# KiCad board ghoul.kicad_pcb (continued)
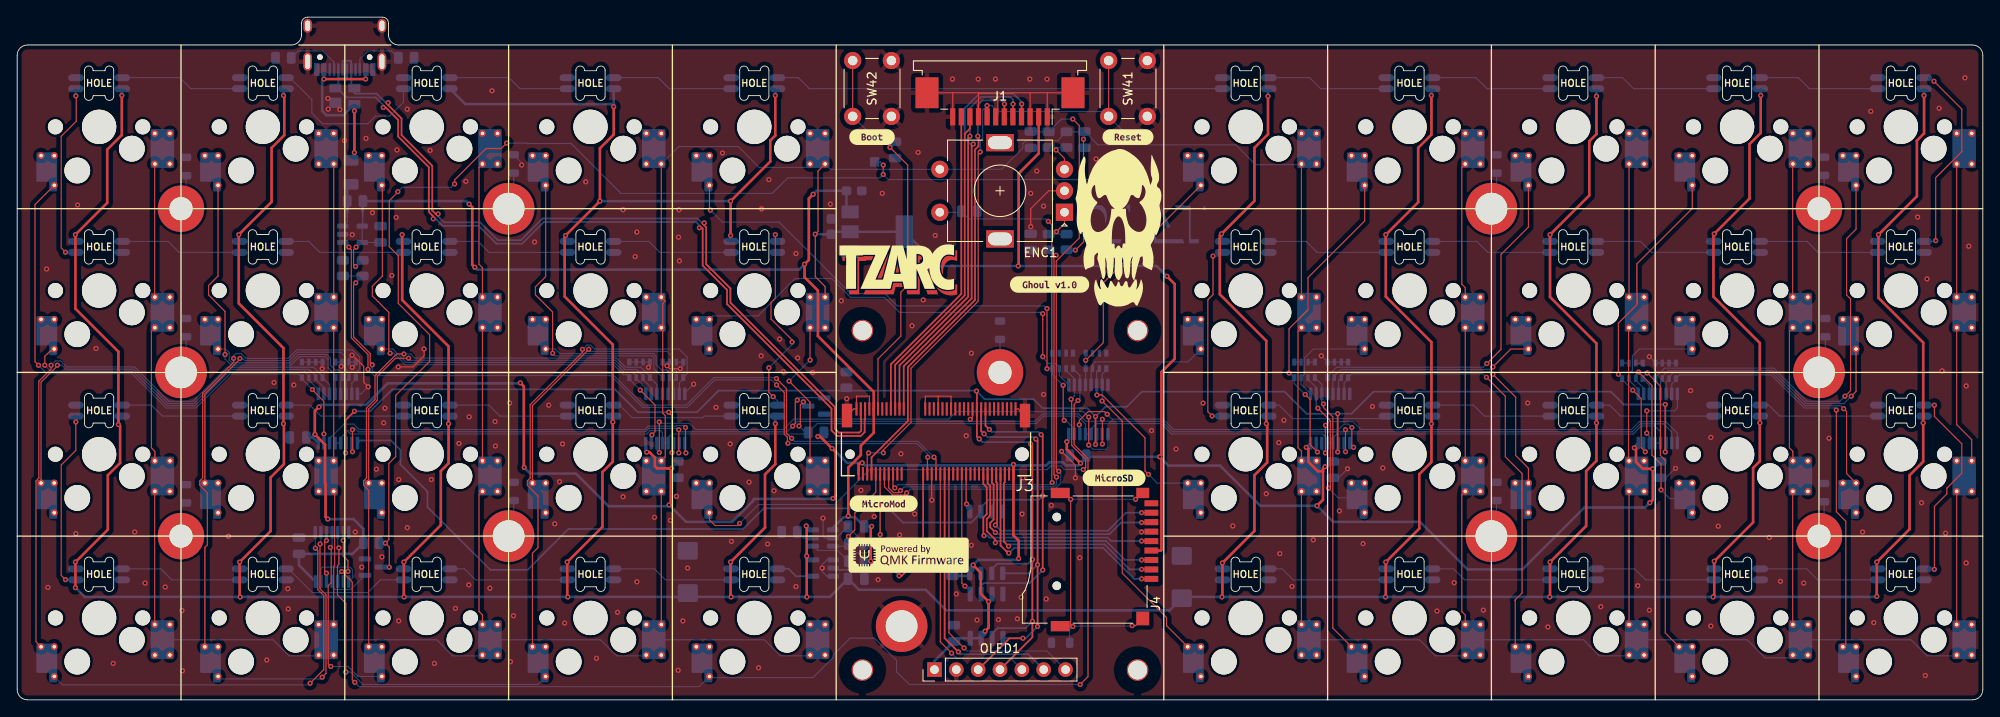
[diagram p0: board, top side]
## Nets (continued)
Net-(D41-Pad1): D41.1 D42.1 Q2.3 R11.1
Net-(H1-Pad1): H1.1 L1.1
Net-(H2-Pad1): H2.1 L2.1
Net-(H3-Pad1): H3.1 L3.1
Net-(H4-Pad1): H4.1 L4.1
Net-(H5-Pad1): H5.1 L6.1
Net-(H6-Pad1): H6.1 L7.1
Net-(H7-Pad1): H7.1 L8.1
Net-(H8-Pad1): H8.1 L9.1
Net-(H9-Pad1): H9.1 L10.1
Net-(H10-Pad1): H10.1 L11.1
Net-(H11-Pad1): H11.1 L12.1
Net-(J4-PadS): J4.S L5.1
Net-(NT2-Pad1): NT2.1 U12.3
Net-(Q2-Pad1): Q2.1 U11.11

Pads without a net: D36 4; ENC1 MP; J2 A8 B8; J3 4 13 15 20 22 35 37 41 43 46 47 48 49 51 53 54 56 58 63 65 67 69 71 72 73; J4 CD; U9 3 7

## Via types
v1: diameter 0.6, hole 0.3, Top to Bottom, 497 vias

## Routing (per net, layer and track width the routed paths; a pad name or vN(x,y) marks a point on that pad's centre or on a via; arc(x,y) is an arc through that point)
5V_Post: length 119.2
  Top w0.3: v1(53.22,50.33) 52.92,50.63 52.92,57.33 v1(52.57,57.68) ; v1(99.27,16.13) 99.27,20.08 v1(99.37,20.18) ; v1(96.66,21.39) 96.66,27.02 98.12,28.49 98.12,29.58 99.61,31.07 J3.9 99.61,35.84 93.12,42.33 93.12,47.63 91.57,49.18 v1(91.57,50.68) 92.07,51.18 92.07,58.33 v1(92.57,58.83)
  Bottom w0.3: NT3.2 40.18,58.02 ; 96.45,57.19 C16.1 92.97,59.23 v1(92.57,58.83) ; v1(53.22,50.33) 53.48,50.07 90.96,50.07 v1(91.57,50.68) ; v1(99.37,20.18) 99.36,20.17 C2.1 97.44,21.24 96.66,21.24 ; 96.66,21.24 96.11,21.24 94.86,19.99 U1.1 ; 96.66,21.24 v1(96.66,21.39) ; R10.1 52.21,58.04 v1(52.57,57.68) ; v1(99.27,16.13) R1.1
5V_Pre: length 2.7
  Bottom w0.3: 38.38,59.54 R10.2 ; NT2.2 38.4,58.02
+3V3: length 392.2
  Top w0.3: v1(133.72,49.28) 134.62,48.38 134.62,39.68 133.07,38.13 133.07,28.48 v1(132.87,28.28) 133.07,28.08 133.07,17.44 133,17.37 J4.4 ; v1(58.97,27.03) 58.92,27.08 58.92,36.48 v1(58.52,36.88) ; J3.2 97.86,27.39 98.04,27.57 v1(98.27,27.57) ; v1(111.17,15.68) 112.07,14.78 112.07,12.33 v1(112.97,11.43) 112.97,8.38 v1(112.57,7.98) ; v1(116.42,50.48) 116.47,50.53 116.47,61.25 118.8,63.58 118.8,67.19 ; v1(151.17,22.58) 151.86,23.27 151.86,26.59 ; v1(116.47,16.43) 116.47,18.53 115.86,19.14 J3.74 115.86,27.37 v1(115.87,27.38) ; v1(75.82,22.68) 76.02,22.88 76.02,26.83 v1(76.12,26.93) 74.42,26.93 74.16,27.19 74.16,28.19 73.53,28.82 v1(73.22,28.82) ; v1(93.12,30.64) 93.38,30.64 v1(94.77,29.25) 95.17,28.85 95.17,23.73 v1(94.87,23.43) ; v1(188.07,29.33) 188.27,29.13 188.27,27.69 189.08,26.88 v1(190.2,26.88) 190.22,26.87 190.22,23.28 v1(189.87,22.93) ; v1(123.67,27.53) 122.07,29.13 v1(122.07,30.03) ; 151.86,26.59 151.86,26.89 v1(152.1,27.13) ; 151.86,26.59 151.27,26.59 150.17,27.69 150.17,29.13 v1(149.92,29.38) ; v1(35.1,34.08) 34.62,33.6 v1(34.62,30.88) 35.81,29.69 35.81,25.19 35.87,25.13 35.87,21.28 v1(36.12,21.03)
  Bottom w0.3: 124.47,28.28 v1(132.87,28.28) 133.9,27.25 139.9,27.25 144.57,22.58 v1(151.17,22.58) 153.04,20.71 163.14,20.71 168.67,15.18 175.07,15.18 182.27,22.38 189.32,22.38 v1(189.87,22.93) ; v1(149.92,29.38) 149.92,29.38 U7.16 ; v1(58.52,36.88) 58.47,36.83 43.09,36.83 40.59,34.33 35.35,34.33 v1(35.1,34.08) ; v1(133.72,49.28) 132.52,50.48 v1(116.42,50.48) 107.15,50.48 U10.2 U10.2 94.95,54.47 ; C10.1 76.12,27.06 v1(76.12,26.93) ; v1(94.77,29.25) 94.84,29.25 96.51,27.57 v1(98.27,27.57) 98.56,27.28 115.77,27.28 v1(115.87,27.38) 115.97,27.28 119.68,27.28 120.05,27.65 121.64,27.65 122,27.28 123.42,27.28 v1(123.67,27.53) 124.33,28.19 ; C13.1 190.24,26.88 v1(190.2,26.88) ; C9.1 34.37,30.53 U4.16 ; U8.16 188.07,29.43 v1(188.07,29.33) ; C14.1 110.5,14.41 U9.8 111.17,15.08 v1(111.17,15.68) 111.77,16.28 116.32,16.28 v1(116.47,16.43) ; U6.16 122.29,30.26 v1(122.07,30.03) ; 113.38,11.84 v1(112.97,11.43) ; 34.27,30.53 v1(34.62,30.88) ; C12.1 152.39,27.13 v1(152.1,27.13) ; v1(58.97,27.03) 59.67,26.33 64.97,26.33 68.77,22.53 75.67,22.53 v1(75.82,22.68) 77.79,20.71 83.15,20.71 85.67,23.22 85.67,23.38 94.77,23.38 94.82,23.43 v1(94.87,23.43) ; U5.16 73.09,28.94 v1(73.22,28.82) ; v1(36.12,21.03) 39.12,21.03 40.26,19.89 R11.2 39.01,16.98 C15.1 32.77,15.67 U11.14 ; v1(112.57,7.98) 112.57,7.63 U3.7 U3.8 109.32,7.16 C6.1 106.68,4.53 OLED1.1 ; NT1.2 94.65,54.17 ; 93.59,31.11 v1(93.12,30.64)
GND: length 125.7
  Top w0.13: v1(40.82,36.43) 40.3,36.95 40.3,38.8 38.97,40.13 v1(38.93,40.09) ; 107.12,35.33 107.11,35.32 J3.39 ; 107.12,35.33 105.62,35.33 105.61,35.32 J3.33 ; 107.12,35.33 108.57,35.33 108.61,35.29 J3.45 ; v1(47.32,40.83) 47.32,40.03 46.02,38.73 v1(44.32,38.73) ; 108.78,70.64 108.8,70.62 J1.12 ; 108.78,70.64 J1.MP ; 108.78,70.64 111.81,70.64 ; 113.81,70.64 117.81,70.64 ; 113.81,70.64 111.81,70.64 ; 113.81,70.64 114.04,70.41 114.04,68.08 ; 117.81,70.64 117.8,70.64 J1.3 ; 117.81,70.64 119.86,70.64 ; 119.86,70.64 J1.MP ; 119.86,70.64 119.8,70.59 J1.1 ; 111.81,70.64 111.8,70.64 J1.9 ; v1(123.07,25.83) 123.07,27.3 v1(121.46,28.91) ; J3.36 106.36,23.24 v1(106.37,23.23) ; v1(77.12,38.53) 75.91,38.53 v1(75.57,38.87) ; v1(117.87,55.07) 117.87,57.15 119.96,59.23 ENC1.C ; J3.7 99.11,35.07 99.12,35.08 99.12,35.33 97.62,35.33 97.61,35.32 J3.1 97.28,33.85 J3.M ; J3.75 116.43,33.85 J3.M ; v1(189.52,31.03) v1(189.52,33.63)
  Bottom w0.13: v1(189.82,39.93) 190.52,39.23 ; C7.2 v1(117.87,55.07) ; 75.86,39.17 v1(75.57,38.87) ; U8.14 189.82,30.73 v1(189.52,31.03) ; 37.52,68.96 v1(37.52,68.68) ; v1(37.69,38.79) 37.79,38.89 RN2.6 RN2.5 ; v1(36.12,69.98) 36.5,69.98 ; RN4.6 RN4.5 ; C12.2 153.68,25.84 v1(154.72,26.88) ; v1(36.17,68.73) 36.91,69.48 ; v1(40.82,36.43) 39.99,35.6 U4.8 ; 98.48,18.3 C2.2 95.27,18.83 ; v1(38.93,40.09) 38.59,39.75 RN2.7 RN2.8 ; v1(35.47,38.53) 35.52,38.58 RN1.4 RN1.3 RN1.2 RN1.1 ; v1(58.67,62.23) 58.67,62.5 L6.2 ; C11.2 121.94,28.43 v1(121.46,28.91) ; RN7.3 RN7.4 ; v1(73.42,38.68) 73.59,38.85 RN3.4 RN3.3 RN3.2 RN3.1 ; 77.64,35.71 v1(78.67,36.73) ; RN10.8 RN10.7 RN10.6 RN10.5 ; U2.1 94.17,16.28 93.62,15.73 v1(93.62,15.33) 93.62,14.93 94.17,14.38 U2.3 ; RN7.2 RN7.1 ; 39.39,39.1 v1(38.97,38.68) ; RN9.2 RN9.1 ; U1.2 93.87,18.83 93.72,18.98 v1(93.72,21.13) ; U8.8 193.07,33.98 192.72,33.63 v1(189.52,33.63) ; v1(192.87,26.93) 192.82,26.93 191.73,25.84 ; RN8.5 RN8.6 RN8.7 RN8.8 ; RN9.4 RN9.3 ; RN4.7 RN4.8 77.46,38.87 v1(77.12,38.53) ; 152.39,39.31 v1(151.67,40.03)
  vias: v1(3.42,50.13) v1(3.57,13.08) v1(6.82,19.33) v1(7.02,57.58) v1(9.17,40.88) v1(11.17,4.23) v1(13.67,19.53) v1(14.87,13.58) v1(17.22,13.13) v1(19.17,10.38) v1(19.22,3.38) v1(24.57,19.03) v1(29.02,4.63) v1(29.87,36.93) v1(31.47,12.93) v1(31.52,10.58) v1(32.17,36.63) v1(38.07,65.08) v1(38.97,54.13) v1(39.32,19.53) v1(40.07,15.43) v1(40.57,65.33) v1(41.32,56.68) v1(41.77,26.83) v1(42.42,16.63) v1(42.62,32.23) v1(42.77,33.93) v1(43.57,49.38) v1(44.07,56.13) v1(44.17,63.98) v1(44.37,25.63) v1(44.37,9.18) v1(45.37,68.73) v1(45.37,20.03) v1(48.02,63.93) v1(48.17,25.63) v1(48.52,4.23) v1(50.97,10.63) v1(51.37,29.83) v1(52.17,60.33) v1(52.57,32.93) v1(52.52,13.38) v1(54.97,12.98) v1(55.22,70.88) v1(55.57,32.38) v1(55.62,29.53) v1(57.27,34.53) v1(57.37,4.43) v1(57.72,9.78) v1(60.17,53.28) v1(61.82,34.28) v1(62.52,20.48) v1(63.07,25.38) v1(63.42,29.78) v1(63.67,8.93) v1(66.12,60.28) v1(67.37,4.83) v1(69.82,10.18) v1(70.47,57.03) v1(70.47,23.63) v1(71.87,51.58) v1(72.07,54.43) v1(72.07,13.73) v1(74.12,21.23) v1(75.97,20.88) v1(76.67,23.68) v1(76.92,53.83) v1(76.87,3.43) v1(76.97,57.03) v1(77.02,51.08) v1(77.42,9.18) v1(77.97,15.33) v1(81.27,34.03) v1(82.02,63.63) v1(82.92,29.78) v1(83.07,18.43) v1(85.12,25.33) v1(86.22,3.73) v1(86.57,57.13) v1(86.52,40.03) v1(87.27,18.13) v1(87.42,60.53) v1(88.02,24.33) v1(88.67,41.98) v1(89.12,38.18) v1(90.57,51.93) v1(90.57,13.18) v1(90.77,39.78) v1(92.52,38.08) v1(94.57,57.68) v1(95.85,46.43) v1(96.47,35.03) v1(98.12,24.38) v1(99.67,21.33) v1(100.12,13.98) v1(100.61,58.94) v1(102.62,19.18) v1(102.77,28.63) v1(104.07,43.53) v1(104.37,21.63) v1(104.77,63.7) v1(105.37,46.53) v1(106.77,54.03) v1(108.77,72.23) v1(109.22,12.33) v1(110.37,30.73) v1(110.97,40.33) v1(110.97,17.98) v1(111.62,9.28) v1(111.77,72.23) v1(113.77,72.23) v1(114.12,9.33) v1(116.32,9.43) v1(116.77,11.93) v1(116.87,21.63) v1(116.97,25.83) v1(117.77,72.23) v1(117.87,58.94) v1(118.57,61.53) v1(119.36,57.45) v1(119.37,35.53) v1(119.67,11.73) v1(119.77,72.23) v1(120.27,22.63) v1(123.57,16.53) v1(125.47,62.93) v1(130.77,19.53) v1(131.92,31.33) v1(134.77,29.18) v1(137.92,34.53) v1(141.37,20.23) v1(145.27,23.98) v1(146.72,29.93) v1(146.84,17.01) v1(147.32,32.53) v1(148.27,13.19) v1(150.74,18.61) v1(153.77,21.98) v1(156.53,18.17) v1(157.62,34.13) v1(158.82,26.98) v1(165.12,10.33) v1(167.12,13.63) v1(170.52,10.43) v1(175.67,34.53) v1(178.02,8.48) v1(184.17,10.83) v1(188.47,13.28) v1(189.82,10.43) v1(194.62,35.98) v1(196.97,30.53) v1(196.97,8.58) v1(197.83,20.2) v1(203.77,18.88) v1(205.07,13.78) v1(207.77,13.58) v1(210.72,30.43) v1(214.62,19.53) v1(215.57,68.48) v1(215.92,8.98) v1(221.02,56.18) v1(221.47,22.93) v1(221.92,2.83) v1(222.12,48.98) v1(223.52,68.83) v1(223.87,38.28) v1(224.27,19.38) v1(226.52,72.38) v1(226.67,36.53) v1(226.67,15.93) v1(226.97,52.78)
VBUS: length 21.4
  Top w0.3: v1(39.22,68.53) v1(39.22,63.68) ; v1(35.67,72.23) v1(40.52,72.23)
  Bottom w0.3: v1(40.52,72.23) 40.52,73.31 ; v1(39.22,63.68) 39.22,63.18 ; v1(39.22,68.53) 39.2,68.55 D43.4 37.93,68.03 35.95,68.03 35.47,68.51 35.47,72.03 v1(35.67,72.23) 35.65,72.25 J2.A4
/Matrix_1_2: length 46.8
  Top w0.13: v1(77.77,28.73) 77.72,28.78 v1(77.72,31.69)
  Bottom w0.13: U5.9 77.64,28.86 v1(77.77,28.73) ; 36.32,30.38 38.02,32.08 39.14,32.08 39.77,31.45 72.99,31.45 73.38,31.84 76.66,31.84 76.74,31.92 77.48,31.92 v1(77.72,31.69)
/Matrix_2_3: length 63.6
  Top w0.13: v1(74.67,32.34) 74.68,32.32 v1(74.68,28.78) ; v1(124.62,32.9) 124.62,29.66 v1(124.61,29.65)
  Bottom w0.13: v1(124.61,29.65) 125.11,29.16 126.64,29.16 126.84,29.36 U6.9 ; v1(74.68,28.78) 74.39,29.07 U5.14 ; v1(74.67,32.34) 74.82,32.18 78.19,32.18 78.92,31.45 89.09,31.45 90.31,32.67 108.35,32.67 109.22,33.53 123.99,33.53 v1(124.62,32.9)
/Matrix_3_4: length 37.9
  Top w0.13: v1(155.22,31.69) 155.22,29.58 v1(155.42,29.38) ; v1(123.52,32.01) 123.52,32.5 124.55,33.54 126.46,33.54 v1(126.77,33.23)
  Bottom w0.13: v1(126.77,33.23) 127.33,32.67 133.27,32.67 134.48,31.45 153.69,31.45 154.32,32.08 154.82,32.08 v1(155.22,31.69) ; v1(155.42,29.38) 154.97,29.83 ; v1(123.52,32.01) 123.52,31
/Matrix_4_5: length 48.1
  Top w0.13: v1(152.14,28.73) 152.14,31.92 v1(152.17,31.95)
  Bottom w0.13: v1(152.17,31.95) 152.6,32.38 155.34,32.38 156.27,31.45 187.74,31.45 188.67,32.38 191.72,32.38 193.07,31.03 U8.9 ; U7.14 151.72,29.15 v1(152.14,28.73)
/Matrix_Latch: length 166.7
  Top w0.13: v1(90.92,31.87) 91.08,32.04 91.08,34.33 v1(91.43,34.68)
  Bottom w0.13: 37.62,30.48 38.5,31.36 38.5,31.22 38.78,30.93 73.2,30.93 73.59,31.32 74.83,31.32 75.04,31.11 75.04,30.38 ; 152.37,30.38 151.82,30.93 134.27,30.93 133.05,32.15 125.52,32.15 124.89,31.52 ; U5.13 U5.12 ; U4.13 U4.12 ; v1(91.43,34.68) 91.92,34.18 ; 153.02,30.48 153.47,30.93 187.57,30.93 187.95,30.93 188.88,31.86 190.44,31.86 191.12,31.18 U8.12 U8.13 ; 75.69,30.48 76.14,30.93 91.83,30.93 ; U6.12 U6.13 124.24,32.09 123.32,33.01 119.37,33.01 118.5,32.15 93.04,32.15 R9.1 ; U7.13 U7.12 ; v1(90.92,31.87) 91.69,31.11
CC1: length 6.7
  Bottom w0.13: R16.2 32.66,75.51 35.55,75.51 36.85,74.2 J2.A5
CC2: length 6.4
  Bottom w0.13: J2.B5 39.85,74.56 40.79,75.51 43.54,75.51 R15.2
CURR_LIM: length 2.1
  Bottom w0.13: U1.5 91.43,18.83 R3.1
CURR_MEAS: length 93.4
  Top w0.13: v1(38.57,52.68) 38.86,52.39 38.86,42.12 40.8,40.19 v1(40.8,38.45) ; v1(88.31,36.65) 89.21,35.75 89.21,30.92 89.57,30.56 89.57,29.9 v1(89.63,29.85) ; J3.34 105.86,28.2 v1(105.89,28.23)
  Bottom w0.13: v1(105.89,28.23) 105.89,28.59 104.67,29.81 89.66,29.81 v1(89.63,29.85) ; v1(88.31,36.65) 87.74,37.22 81.11,37.22 77.92,34.03 72.73,34.03 69.03,37.73 41.52,37.73 v1(40.8,38.45) ; v1(38.57,52.68) 38.4,52.68 U12.1
D+: length 95.1
  Top w0.2: v1(48.95,56.54) 48.67,56.54 48.27,56.94 48.27,62.14 44.7,65.72 44.7,67.65 43.14,69.21 v1(43.14,69.49) ; J3.3 98.11,32.69 98.16,32.64 98.16,31.32 97.94,31.11 95.55,31.11 95.1,31.55 95.1,34.07 82.95,46.22 82.95,47.87 80.12,50.7 80.12,55 79.91,55.22 v1(79.91,55.5)
  Bottom w0.2: v1(79.91,55.5) 79.62,55.5 79.11,56.01 61.09,56.01 58.56,53.48 55.91,53.48 53.82,55.56 49.64,55.56 48.95,56.26 v1(48.95,56.54) ; J2.A6 37.85,74.32 37.9,74.37 38.8,74.37 38.85,74.32 J2.B6 38.85,71.55 ; v1(43.14,69.49) 42.86,69.49 41.81,70.54 39.29,70.54 39.2,70.63 D43.3
D-: length 96.6
  Top w0.2: v1(79.34,54.93) 79.62,54.93 79.72,54.83 79.72,50.53 82.55,47.71 82.55,46.05 94.7,33.9 94.7,31.36 95.35,30.71 98.11,30.71 98.56,31.15 98.56,32.64 98.61,32.69 J3.5 ; v1(42.58,68.93) 42.86,68.93 44.3,67.49 44.3,65.55 47.87,61.98 47.87,56.77 48.38,56.26 v1(48.38,55.97)
  Bottom w0.2: 37.35,72.31 J2.B7 ; 37.35,72.31 37.35,71.55 ; 37.35,72.31 38.29,72.31 38.35,72.37 J2.A7 ; v1(48.38,55.97) 48.67,55.97 49.48,55.16 53.66,55.16 55.74,53.08 58.72,53.08 61.25,55.61 78.94,55.61 79.34,55.22 v1(79.34,54.93) ; v1(42.58,68.93) 42.58,69.21 41.69,70.1 38.3,70.1 37.2,71.2
DBG_RX_TGT_TX: length 37.4
  Top w0.2: J3.17 101.61,39.04 109.8,47.23 J1.11
DBG_TX_TGT_RX: length 37.6
  Top w0.2: J1.10 110.8,66.46 110.2,65.86 110.2,47.07 102.11,38.98 J3.19
EEPROM_CS: length 14
  Top w0.13: J3.50 109.86,13.59 v1(110.22,13.23)
  Bottom w0.13: v1(110.22,13.23) 110.59,12.86 110.84,12.86
ENC_A: length 51.6
  Top w0.13: v1(102.72,24.34) 102.49,24.1 101.92,24.1 101.36,24.66 J3.16 ; v1(120.86,25.92) 120.58,26.2 120.58,51.5 v1(120.82,51.73)
  Bottom w0.13: v1(102.72,24.34) 103.16,24.77 120.56,24.77 120.86,25.08 v1(120.86,25.92) ; C7.1 119.92,52.33 ; 120.18,52.37 v1(120.82,51.73)
ENC_B: length 72.4
  Top w0.13: v1(121.13,26.6) 120.84,26.88 120.84,51.06 123.52,53.73 123.52,66.83 v1(122.77,67.58) ; J3.14 100.86,24.79 101.81,23.84 103.2,23.84 v1(103.44,24.08)
  Bottom w0.13: v1(121.13,26.6) 121.36,26.37 121.36,25.2 120.67,24.51 103.87,24.51 v1(103.44,24.08) ; 117.91,66.1 R7.1 121.44,67.58 v1(122.77,67.58)
ENC_SW: length 63.9
  Top w0.13: J3.18 101.86,24.86 v1(102.06,24.65) ; v1(120.37,25.28) 120.32,25.33 120.32,55.28 v1(119.92,55.68)
  Bottom w0.13: R8.1 110.71,55.96 119.64,55.96 v1(119.92,55.68) ; 109.7,56.73 ENC1.S2 ; v1(102.06,24.65) 102.44,25.03 120.12,25.03 v1(120.37,25.28)
FLASH_CS: length 4.6
  Top w0.13: J3.52 110.36,22.84 v1(110.42,22.78)
  Bottom w0.13: v1(110.42,22.78) 110.42,22.3 U9.1
k00: length 65.1
  Top w0.13: v1(2.48,38.93) 2.07,39.34 2.07,57.63 SW1.2 ; v1(34.33,36.11) 34.33,36.06 35.67,34.73 v1(35.67,30.93)
  Bottom w0.13: RN1.8 32.69,37.92 24.73,37.92 20.77,33.96 17.33,33.96 13.34,37.95 3.46,37.95 v1(2.48,38.93) ; v1(34.33,36.11) 33.12,37.32 ; v1(35.67,30.93) 35.67,29.88
k01: length 38.5
  Top w0.13: 4.31,40.57 3.81,40.57 3.21,39.97 v1(3.21,38.93)
  Bottom w0.13: v1(3.21,38.93) 3.93,38.21 13.45,38.21 17.44,34.22 20.66,34.22 24.63,38.18 33.43,38.18 33.92,37.7 ; 33.92,37.22 35.02,36.12
k02: length 50.4
  Top w0.13: v1(4.67,38.94) 4.67,38.86 2.78,36.97 SW21.2
  Bottom w0.13: 34.72,37.3 35.67,36.35 U4.2 ; v1(4.67,38.94) 5.2,38.94 5.66,38.47 13.55,38.47 17.55,34.48 20.55,34.48 24.52,38.44 33.97,38.44 34.72,37.7
k03: length 120.5
  Top w0.13: v1(34.07,1.93) 35.65,3.52 35.65,12.13 34.96,12.82 34.96,17.36 v1(34.68,17.64) ; 2.67,6.28 2.18,6.77 2.18,25.47 2.52,25.81 2.52,37.08 3.94,38.5 v1(3.94,38.93)
  Bottom w0.13: U4.3 36.32,36.7 RN1.5 ; v1(34.68,17.64) 34.67,17.65 U11.1 ; v1(3.94,38.93) 4.44,39.43 5.07,39.43 5.77,38.73 13.66,38.73 17.66,34.74 20.44,34.74 24.41,38.7 34.46,38.7 35.52,37.65 ; SW31.2 5.3,1.73 33.87,1.73 v1(34.07,1.93)
k03&&k07: length 5.9
  Top w0.13: v1(35.97,18.53) 35.77,18.33 35.77,14.93 v1(35.97,14.73)
  Bottom w0.13: v1(35.97,14.73) U11.12 ; U11.3 v1(35.97,18.53)
k04: length 38.3
  Top w0.13: v1(24.17,40.18) 24.17,40.18 24.17,45.2 22.26,47.11 22.26,48.22 23.36,49.32 SW2.2
  Bottom w0.13: v1(24.17,40.18) 24.17,39.66 24.87,38.96 31.85,38.96 32.82,39.93 35.87,39.93 36.17,39.63 36.17,38.63 36.99,37.81 ; RN2.4 36.99,35.62
k05: length 19.8
  Bottom w0.13: SW12.2 24.23,40.82 24.66,40.39 24.66,39.54 24.98,39.22 31.74,39.22 32.71,40.19 35.97,40.19 36.43,39.74 36.43,38.93 36.98,38.38 37.42,38.38 37.79,38.01 RN2.3 37.62,37.33 U4.5
k06: length 33.8
  Top w0.13: SW22.2 21.83,35.57 25.9,39.64 v1(25.9,39.72)
  Bottom w0.13: U4.6 38.27,37.18 RN2.2 38.59,38.11 38.18,38.51 38.18,39.89 37.62,40.45 32.6,40.45 31.64,39.48 26.45,39.48 26.21,39.72 v1(25.9,39.72)
k07: length 85.9
  Top w0.13: v1(25.17,39.73) 25.17,39.28 21.57,35.68 21.57,25.81 21.23,25.47 21.23,24.97 22.11,24.09 22.11,18.02 21.83,17.73 SW32.2 ; v1(35.22,18.13) 35.22,12.93 35.91,12.24 35.91,3.08 v1(35.47,2.63)
  Bottom w0.13: U11.2 35.32,18.23 v1(35.22,18.13) ; RN2.1 39.39,38.05 39.83,38.5 39.83,39.89 39.01,40.71 32.5,40.71 31.53,39.74 26.57,39.74 26.57,39.75 26.03,40.28 25.42,40.28 25.17,40.04 v1(25.17,39.73) ; 39.39,37.35 38.92,36.88 U4.7 ; v1(35.47,2.63) 35.26,2.43 23.66,2.43 SW32.2
k10: length 58.5
  Top w0.13: v1(72.46,36.04) 72.46,36.03 74.17,34.33 74.17,31.19 v1(73.81,30.83) ; v1(43.37,40.33) 43.22,40.48 43.22,45.08 41.31,46.99 41.31,48.14 42.47,49.3 42.47,59.81
  Bottom w0.13: v1(73.81,30.83) 73.81,30 ; v1(43.37,40.33) 43.8,40.33 45.14,38.99 69.36,38.99 70.52,37.83 70.86,37.83 RN3.8 ; v1(72.46,36.04) 71.19,37.31
k11: length 32.9
  Bottom w0.13: SW13.2 43.68,40.82 45.25,39.25 69.46,39.25 70.62,38.09 71.6,38.09 71.99,37.7 ; 71.99,37.4 73.09,36.29 73.09,35.88
k12: length 47.5
  Top w0.13: v1(45.52,39.75) 44,39.75 41.88,37.62 41.88,34.84 40.88,33.84 SW23.2
  Bottom w0.13: U5.2 73.74,36.31 72.79,37.26 ; 72.79,37.69 72.04,38.44 70.64,38.44 69.57,39.51 45.75,39.51 v1(45.52,39.75)
k13: length 91.1
  Top w0.13: SW33.2 40.88,24.39 40.28,24.98 40.28,25.47 40.62,25.81 40.62,33.94 41.62,34.95 41.62,37.73 44.13,40.24 v1(44.97,40.24) ; v1(36.47,3.88) 36.17,4.18 36.17,13.29 36.52,13.63 36.52,17.63 v1(36.42,17.73)
  Bottom w0.13: U5.3 74.39,36.7 RN3.5 ; v1(44.97,40.24) 45.76,40.24 46.23,39.77 69.68,39.77 70.75,38.7 72.54,38.7 73.59,37.65 ; v1(36.42,17.73) 36.62,17.93 U11.4 ; SW33.2 39.64,2.72 38.49,3.88 v1(36.47,3.88)
k13&&k17: length 5.6
  Top w0.13: v1(37.92,18.53) 37.92,16.73 38.47,16.18 v1(38.47,14.94)
  Bottom w0.13: U11.6 v1(37.92,18.53) ; v1(38.47,14.94) 37.92,14.39
k13&&k17&&k23: length 6.9
  Bottom w0.13: U11.8 39.02,14.22 39.02,15.13 38.72,15.43 35.47,15.43 35.32,15.28 U11.13
k14: length 37.5
  Top w0.13: v1(62.27,40.33) 62.27,40.33 62.27,45.13 60.27,47.13 60.27,48.05 61.46,49.24 SW4.2
  Bottom w0.13: v1(62.27,40.33) 62.57,40.03 73.9,40.03 74.04,39.89 74.04,38.52 RN4.4 75.06,35.62
k15: length 18.2
  Bottom w0.13: 75.86,37.7 75.86,38.06 75.54,38.38 74.95,38.38 74.3,39.03 74.3,40 74.01,40.29 63.11,40.29 62.58,40.82 SW14.2 ; 75.79,35.7 75.79,37.43
k16: length 33
  Top w0.13: SW24.2 59.93,34.24 v1(66.47,40.79)
  Bottom w0.13: 76.34,35.6 76.34,37.18 RN4.2 76.66,38.21 76.26,38.61 76.26,39.89 75.6,40.55 66.7,40.55 v1(66.47,40.79)
k17: length 96.5
  Top w0.13: v1(38.22,3.23) 38.22,11.23 37.24,12.21 37.24,15.59 37.41,15.76 v1(37.41,17.68) ; v1(65.74,40.79) 65.74,40.42 59.67,34.35 59.67,25.81 59.33,25.47 59.33,24.97 60.57,23.73 60.57,17.71 59.92,17.06 59.92,14.46 59.93,14.45 SW34.2
  Bottom w0.13: v1(38.22,3.23) 38.77,3.23 40.21,1.79 60.53,1.79 SW34.2 ; v1(37.41,17.68) 37.27,17.83 U11.5 ; v1(65.74,40.79) 65.77,40.79 66.26,41.28 66.67,41.28 67.14,40.81 76.99,40.81 77.91,39.89 77.91,37.94 RN4.1 ; U5.7 76.99,36.88 77.46,37.35
k20: length 62.6
  Top w0.13: v1(80.62,56.98) 80.51,57.09 SW5.2 ; v1(121.64,36.6) 121.64,32.64 v1(121.77,32.52) ; v1(119.77,45.53) v1(119.77,38.53)
  Bottom w0.13: v1(119.77,38.53) 119.78,38.54 RN5.8 120.39,37.85 v1(121.64,36.6) ; v1(119.77,45.53) 119.47,45.83 102.37,45.83 100.92,47.28 96.92,47.28 88.62,55.58 82.02,55.58 v1(80.62,56.98) ; v1(121.77,32.52) 121.95,32.52 122.94,31.52
k21: length 52.3
  Top w0.13: v1(119.27,44.93) 119.27,44.23 119.27,44.23 v1(119.27,39.93)
  Bottom w0.13: U6.1 121.19,37.75 RN5.7 ; v1(119.27,44.93) 119.12,45.08 102.62,45.08 100.87,46.83 96.92,46.83 94.72,49.03 90.46,49.03 88.62,47.19 88.62,47.13 86.16,44.68 80.91,44.68 SW15.2 ; v1(119.27,39.93) 119.27,39.81 119.95,39.13 120.8,39.13 121.19,38.74
k22: length 60.6
  Top w0.13: v1(122.57,34.98) 122.63,34.92 122.63,29.62 124.27,27.98 124.27,27.03 124.03,26.8 v1(123.98,26.8) ; v1(84.02,20.53) 83.77,20.28 81.17,20.28 80.51,20.94 SW25.2
  Bottom w0.13: v1(122.57,34.98) 122.94,35.36 U6.2 122.94,37.39 121.99,38.34 ; v1(84.02,20.53) 86.22,22.73 95.07,22.73 99.12,26.78 119.77,26.78 120.22,27.23 121.37,27.23 121.8,26.8 v1(123.98,26.8)
k23: length 143.3
  Top w0.13: v1(37.74,14.93) 38.97,13.7 38.97,2.33 v1(39.27,2.03) ; v1(123.37,34.83) 122.92,34.38 122.92,29.7 124.53,28.09 124.53,2.69 v1(123.62,1.78)
  Bottom w0.13: RN5.5 123.59,37.74 U6.3 123.59,35.06 v1(123.37,34.83) ; U11.10 37.27,14.46 v1(37.74,14.93) ; v1(123.62,1.78) 103.75,1.78 102.27,3.27 102.27,4.58 99.67,7.18 96.87,7.18 94.89,5.21 94.89,4.93 92.54,2.58 80.65,2.58 ; v1(39.27,2.03) 39.77,1.53 79.32,1.53 SW35.2
k24: length 28.8
  Top w0.13: v1(124.27,39.51) 126.32,41.56 126.32,48.53 SW6.2
  Bottom w0.13: 124.26,36.66 RN6.4 124.26,39.5 v1(124.27,39.51)
k25: length 15.8
  Bottom w0.13: U6.5 124.89,38.37 RN6.3 125.06,39.02 125.37,39.33 136.17,39.33 SW16.2
k26: length 20.3
  Top w0.13: v1(125.57,35.48) 126.17,35.48 131.17,30.48 131.17,26.63 v1(131.57,26.23)
  Bottom w0.13: RN6.2 125.54,38.22 U6.6 125.54,35.51 v1(125.57,35.48) ; SW26.2 132.57,25.23 v1(131.57,26.23)
k27: length 36.5
  Top w0.13: SW36.2 133.67,8.63 133.67,9.58 128.52,14.73 128.52,32.43 v1(126.17,34.78)
  Bottom w0.13: 126.66,38.39 126.19,37.92 U6.7 126.19,34.81 v1(126.17,34.78)
k30: length 37.1
  Top w0.13: SW7.2 156.71,55.72 150.12,49.13 150.12,45.38 147.92,43.18 v1(147.92,38.03) ; v1(151.22,28.83) 150.48,29.57 150.48,29.61 150.37,29.73 150.37,34.96 v1(149.79,35.53)
  Bottom w0.13: 148.45,37.5 v1(147.92,38.03) ; v1(149.79,35.53) 148.52,36.8 RN7.8 ; U7.15 151.07,28.98 v1(151.22,28.83)
k31: length 12.2
  Bottom w0.13: SW17.2 150.76,40.82 149.73,39.79 149.73,37.9 RN7.7 149.32,36.71 U7.1
k32: length 17.6
  Top w0.13: v1(152.51,24.63) 152.72,24.84 152.72,32.48 v1(151.27,33.93)
  Bottom w0.13: SW27.2 153.64,23.5 v1(152.51,24.63) ; v1(151.27,33.93) 151.07,34.13 U7.2 151.07,36.35 150.12,37.3
k33: length 33.1
  Top w0.13: SW37.2 153,8.35 153,32.93 151.92,34.02 v1(151.92,34.43)
  Bottom w0.13: RN7.5 151.72,36.7 U7.3 151.72,34.63 v1(151.92,34.43)
k34: length 43.8
  Top w0.13: v1(170.92,39.13) 172.57,40.78 172.57,51.83 175.76,55.02 SW8.2
  Bottom w0.13: RN8.4 152.39,35.62 ; v1(170.92,39.13) 170.49,38.7 153.45,38.7 152.39,37.65
k35: length 25.8
  Top w0.13: v1(171.62,38.73) 173.71,40.82 SW18.2
  Bottom w0.13: v1(171.62,38.73) 171.33,38.44 153.94,38.44 153.19,37.7 ; RN8.3 153.02,37.33 U7.5
k36: length 34.3
  Top w0.13: SW28.2 175.76,26.94 174.27,28.43 174.27,35.23 v1(171.62,37.88)
  Bottom w0.13: U7.6 153.67,37.18 RN8.2 ; v1(171.62,37.88) 171.32,38.18 170.52,38.18 170.52,38.18 154.48,38.18 153.99,37.7
k37: length 51.8
  Top w0.13: v1(170.87,37.53) 173.07,35.33 173.07,28.28 175.02,26.33 175.02,12.43 174.17,11.58 174.23,11.52 SW38.2
  Bottom w0.13: v1(170.87,37.53) 170.48,37.92 155.22,37.92 RN8.1 ; 154.79,37.35 154.32,36.88 U7.7
k40: length 36.8
  Top w0.13: SW9.2 194.81,57.17 188.37,50.73 188.37,45.98 186.22,43.83 v1(186.22,37.88) ; v1(189.35,28.86) 188.87,29.35 188.87,35.05 v1(187.89,36.03)
  Bottom w0.13: v1(189.35,28.86) 189.17,29.04 U8.15 ; 186.65,37.45 v1(186.22,37.88) ; 186.65,37.27 v1(187.89,36.03)
k41: length 11.6
  Bottom w0.13: SW19.2 188.66,40.82 187.85,40.02 187.85,38.32 187.45,37.91 RN9.7 ; 187.45,37.19 188.52,36.12
k42: length 20.2
  Top w0.13: v1(191.17,24.43) 191.17,27.43 190.12,28.48 190.12,36.59 v1(188.56,38.14)
  Bottom w0.13: RN9.6 188.25,37.83 v1(188.56,38.14) ; 188.25,37.18 189.17,36.26 ; SW29.2 192.19,23.42 v1(191.17,24.43)
k43: length 36.2
  Top w0.13: SW39.2 191.67,7.78 191.67,27.88 191.1,28.45 191.1,36.5 v1(189.57,38.03)
  Bottom w0.13: 189.05,37.51 v1(189.57,38.03) ; RN9.5 189.82,36.61 U8.3
k44: length 51.5
  Top w0.13: v1(212.57,35.33) 213.22,35.98 213.22,46.65 212.76,47.11 212.76,53.67 213.86,54.77 SW10.2
  Bottom w0.13: 190.52,35.65 RN10.4 ; v1(212.57,35.33) 211.97,34.74 208.16,34.74 204.3,38.59 191.57,38.59 190.52,37.54
k45: length 31.8
  Top w0.13: v1(213.3,35.33) 213.86,35.89 SW20.2
  Bottom w0.13: RN10.3 191.12,37.19 U8.5 ; v1(213.3,35.33) 212.44,34.48 208.05,34.48 204.2,38.33 192.06,38.33 191.32,37.58
k46: length 33.4
  Top w0.13: SW30.2 212.76,26.33 212.76,33.54 v1(212.42,33.88)
  Bottom w0.13: v1(212.42,33.88) 212.08,34.22 207.94,34.22 204.09,38.07 192.6,38.07 192.12,37.58 ; RN10.2 191.77,37.04 U8.6
k47: length 50.5
  Top w0.13: v1(211.57,33.72) 211.57,21.88 212.67,20.78 212.67,6.52 SW40.2
  Bottom w0.13: RN10.1 193.34,37.81 203.98,37.81 207.83,33.96 211.33,33.96 v1(211.57,33.72) ; 192.92,37.23 192.42,36.74 U8.7
Key_Pullup: length 703.3
  Top w0.13: SW37.1 168.41,9.87 168.01,10.27 168.01,23.86 SW27.1 ; SW12.1 SW22.1 ; SW15.1 92.21,39.54 v1(92.22,39.53) ; SW23.1 53.71,23.86 53.71,10.27 54.11,9.87 SW33.1 ; SW30.1 227.31,30.27 225.56,32.02 SW20.1 ; SW17.1 168.41,47.97 168.01,48.37 168.01,61.96 SW7.1 ; SW15.1 93.96,48.09 92.82,49.23 v1(92.82,54.18) 93.13,54.5 93.13,61.53 SW5.1 ; SW4.1 SW14.1 ; v1(123.07,52.33) 124.01,53.28 v1(124.01,65.23) ; 75.07,46.7 75.37,46.4 75.07,46.11 75.07,33.36 75.37,33.07 75.37,28.27 75.07,27.97 ; SW17.1 SW27.1 ; SW19.1 206.11,42.91 206.11,29.32 206.51,28.92 SW29.1 ; 15.99,24.23 15.99,8.79 ; SW3.1 53.71,61.96 53.71,50.69 54.11,50.29 SW13.1 ; SW30.1 SW40.1 ; SW32.1 36.81,15.52 36.92,15.63 36.92,24.15 ; SW28.1 SW38.1 ; 206.49,62.33 206.49,46.89 ; SW11.1 15.61,42.91 15.61,29.32 16.01,28.92 SW21.1 ; SW34.1 SW24.1 ; SW25.1 92.21,34.64 v1(89.77,37.08) ; SW8.1 SW18.1 ; SW26.1 SW36.1 ; SW10.1 SW20.1 ; SW16.1 148.96,42.91 148.96,29.34 149.36,28.94 SW26.1 ; SW13.1 SW23.1 ; 187.4,43.25 187.4,27.87 ; SW6.1 SW16.1 ; 206.49,24.23 206.49,8.79 ; 15.99,62.33 15.99,46.89 ; SW2.1 SW12.1
  Bottom w0.13: 206.18,4.88 203.3,4.88 201.2,6.98 SW38.1 ; SW31.1 29.75,6.98 31.61,5.12 34.97,5.12 ; SW37.1 182.15,6.98 184.01,5.12 187.37,5.12 ; 168.32,5.12 164.96,5.12 163.1,6.98 SW36.1 ; 124.09,66.1 R5.1 121.02,65.08 117.32,65.08 116.95,64.71 116.95,64.21 114.47,61.73 ENC1.S1 94.58,61.73 SW5.1 ; SW32.1 48.8,6.98 50.66,5.12 54.02,5.12 ; 149.27,62.27 144.03,62.27 141.72,64.58 125.68,64.58 C1.1 124.12,65.34 v1(124.01,65.23) ; v1(123.07,52.33) 122.08,52.33 ; SW4.1 76.93,64.38 83.87,64.38 86.29,61.96 91.81,61.96 SW5.1 ; v1(92.82,54.18) 92.83,54.17 NT1.1 ; 92.12,5.12 88.76,5.12 86.9,6.98 SW34.1 ; SW33.1 67.85,6.98 69.71,5.12 73.07,5.12 ; 225.47,5.12 222.11,5.12 220.25,6.98 SW39.1 ; v1(89.77,37.08) v1(92.22,39.53)
MATRIX_CS: length 181.5
  Top w0.13: v1(38.99,28.87) 38.99,31.42 v1(38.99,31.43) ; v1(110.84,32.64) 111.11,32.91 J3.55 ; v1(90.19,31.85) 90.49,32.15 90.49,34.64 v1(90.73,34.89) ; v1(126.21,29.77) v1(126.21,32.64) ; v1(154.48,28.87) v1(154.48,31.43) ; v1(76.94,31.43) v1(76.94,28.74)
  Bottom w0.13: 126.21,32.59 126.02,32.41 124.29,32.41 123.43,33.27 119.26,33.27 118.39,32.41 90.75,32.41 v1(90.19,31.85) 89.53,31.19 77.15,31.19 76.94,31.4 v1(76.94,31.43) 76.79,31.58 73.49,31.58 73.1,31.19 39.66,31.19 39.21,31.65 v1(38.99,31.43) ; v1(154.48,31.43) 154.25,31.19 ; 154.25,31.19 134.37,31.19 133.16,32.41 126.24,32.41 126.21,32.44 v1(126.21,32.64) ; 154.25,31.19 187.85,31.19 188.78,32.12 191.47,32.12 192.42,31.17 U8.10 ; U7.10 154.32,29.03 v1(154.48,28.87) ; 110.61,32.41 v1(110.84,32.64) ; v1(126.21,29.77) 126.19,29.78 U6.10 ; v1(90.73,34.89) 91.01,35.17 93.71,35.17 ; U4.10 38.92,28.95 v1(38.99,28.87) ; v1(76.94,28.74) 76.94,29.83
MISO: length 126.1
  Top w0.2: v1(119.27,15.11) v1(119.27,23.73) 119.27,30.67 v1(119.08,30.86) ; v1(113.06,31.46) 112.61,31.91 J3.61
  Bottom w0.2: 112.07,22.39 112.97,23.28 118.82,23.28 v1(119.27,23.73) ; 112.07,21.75 110.96,20.63 103.02,20.63 101.37,22.28 86.82,22.28 84.42,19.88 64.12,19.88 59.37,15.13 55.02,15.13 47.72,22.43 47.72,24.23 44.57,27.38 44.57,29.08 43.47,30.18 39.87,30.18 U4.9 ; v1(119.08,30.86) 118.76,31.18 113.34,31.18 v1(113.06,31.46) ; v1(119.27,15.11) 117.74,13.58 112.42,13.58 112.11,13.27 112.11,12.55
